# KiCad board LittleSixteen.kicad_pcb
title: LittleSixteen; date: 2025-06-29; rev: 4git; company: SukkoPera; note: Licensed under CC BY-NC-SA 4.0
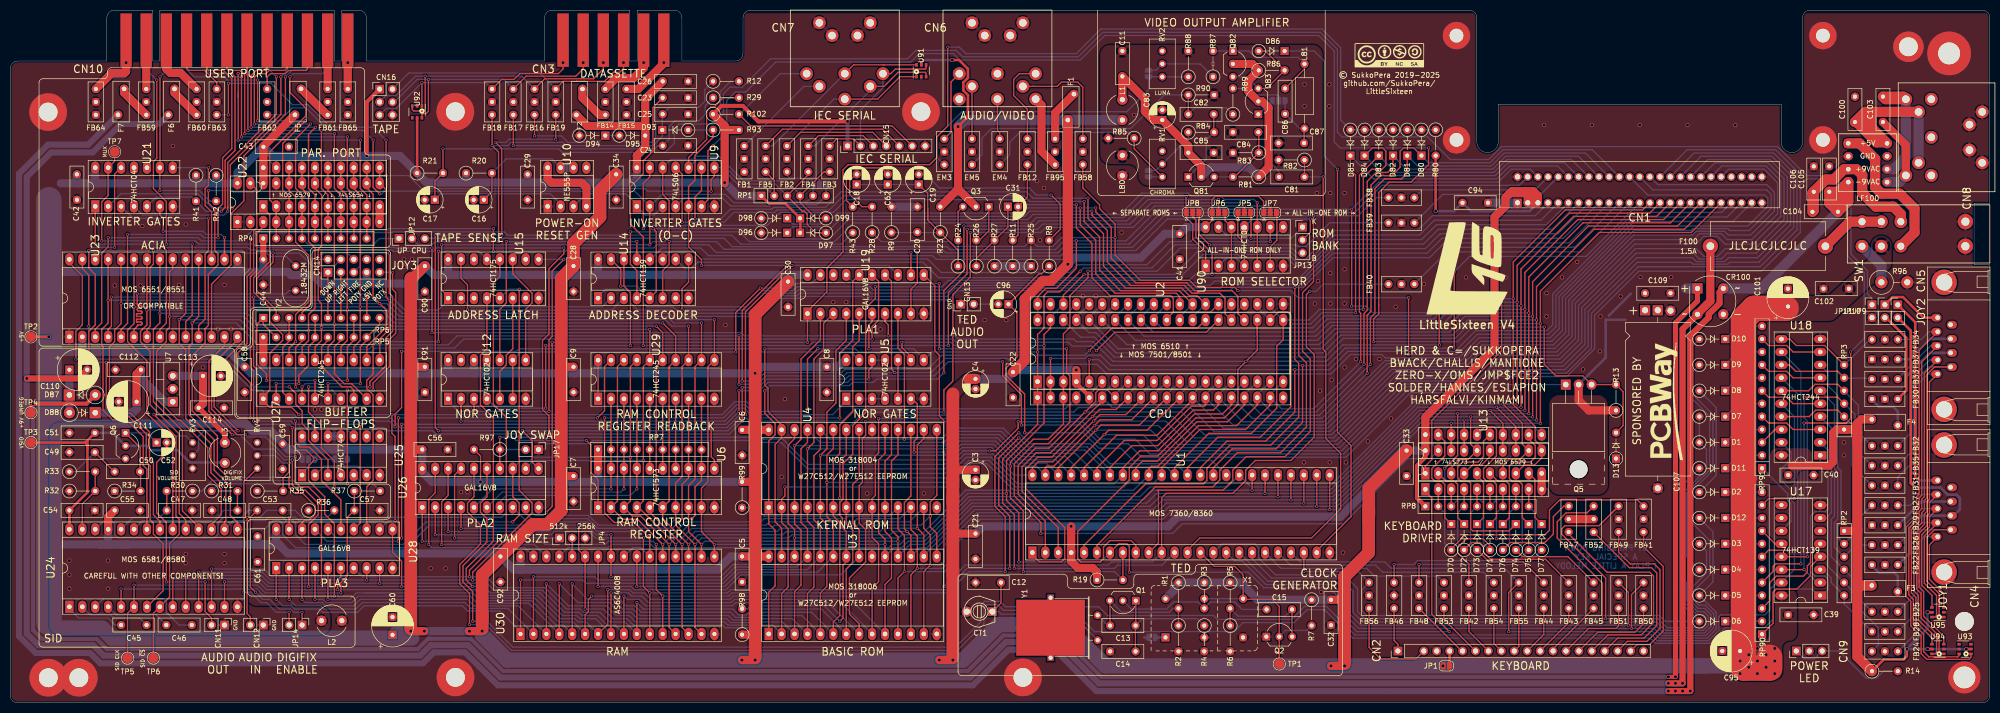
[diagram p0: board, top side]
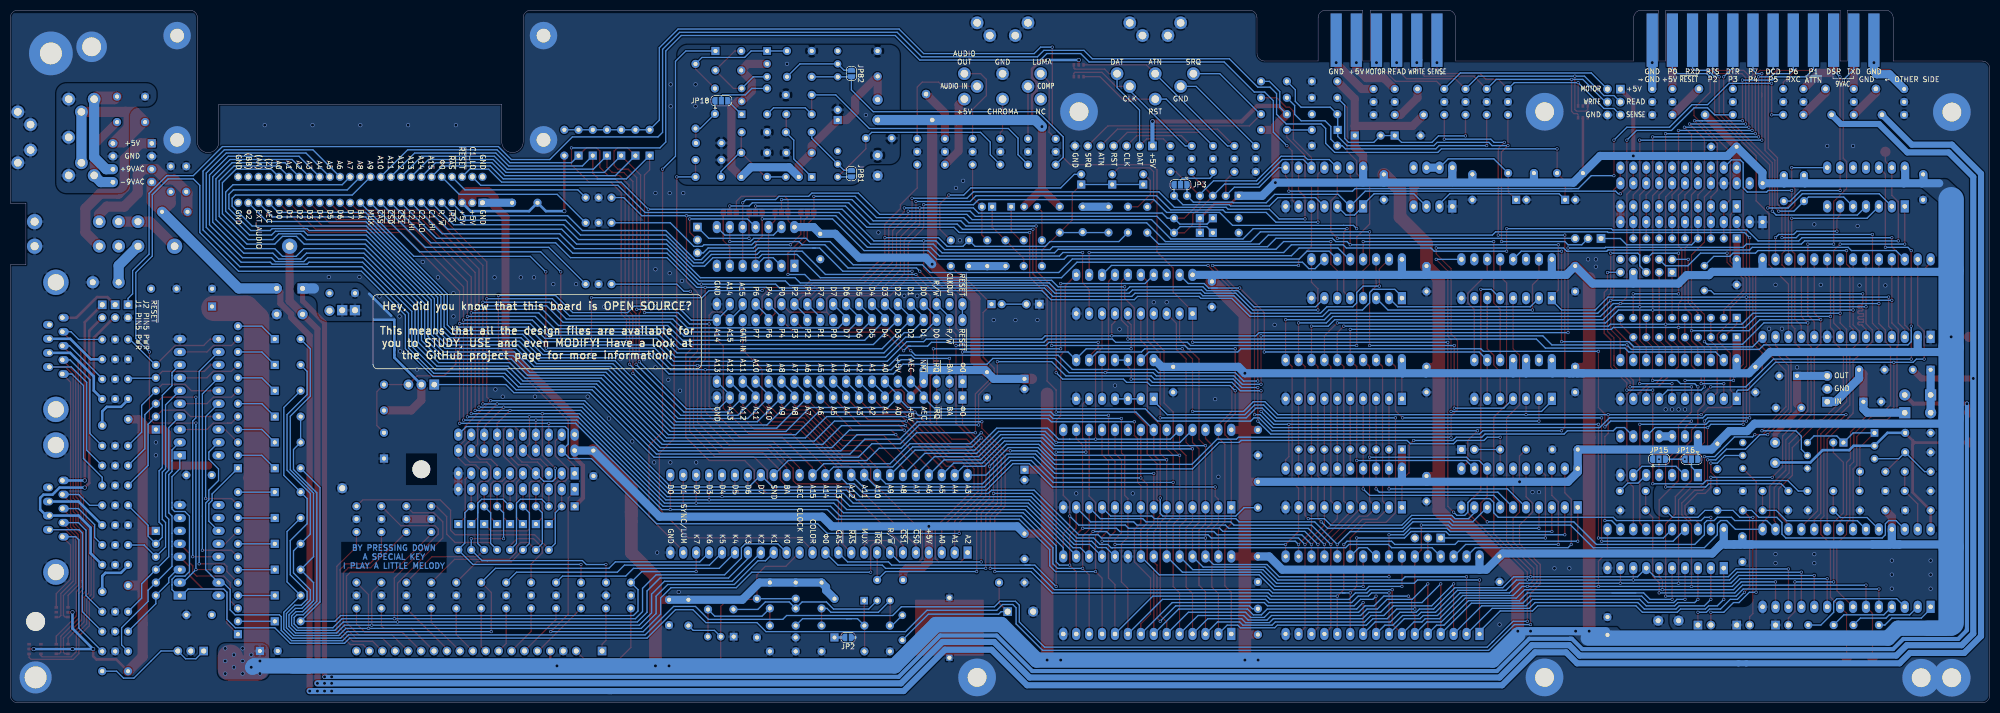
[diagram p1: board, bottom side, seen from below]

Outline 389 x 136.2 mm; copper layers: Top, Bottom. Coordinates in mm from the lower left corner of the outline.
Outline path: 0,124.7 0,1.5 arc(0.44,0.44) 1.5,0 387.5,0 arc(388.56,0.44) 389,1.5 389,86.13 385.9,86.13 385.9,98.26 389,98.26 389,134.7 arc(388.56,135.76) 387.5,136.2 353.7,136.2 arc(352.64,135.76) 352.2,134.7 352.2,110.3 arc(350.1,108.2) 348,110.3 348,117.7 292.4,117.7 292.4,110.3 arc(290.3,108.2) 288.2,110.3 288.2,134.7 arc(287.76,135.76) 286.7,136.2 145.5,136.2 arc(144.44,135.76) 144,134.7 144,127.7 arc(143.56,126.64) 142.5,126.2 132,126.2 132,134.7 arc(131.56,135.76) 130.5,136.2 123.22,136.2 123.22,126.2 121.77,126.2 121.77,136.2 106.5,136.2 arc(105.44,135.76) 105,134.7 105,126.2 70,126.2 69.98,134.7 arc(69.55,135.76) 68.48,136.2 65.07,136.2 65.07,126.2 63.67,126.2 63.67,136.2 29.42,136.2 29.42,126.2 28.02,126.2 28.02,136.2 20.5,136.2 arc(19.44,135.76) 19,134.7 19,126.2 1.5,126.2 arc(0.44,125.76) 0,124.7

## Placement (name value [footprint] x y rotation side)
C3  10u/25V  [CP_Radial_D5.0mm_P2.00mm]  189.69 45.83 270 top
C4  10u/25V  [CP_Radial_D5.0mm_P2.00mm]  189.69 63.71 270 top
C5  100n  [C_Disc_D8.0mm_W2.5mm_P5.00mm]  143.83 28.78 270 top
C6  100n  [C_Disc_D8.0mm_W2.5mm_P5.00mm]  143.83 53.67 270 top
C7  100n  [C_Disc_D8.0mm_W2.5mm_P5.00mm]  110.69 44.61 270 top
C8  100n  [C_Disc_D8.0mm_W2.5mm_P5.00mm]  160.48 66.07 270 top
C9  100n  [C_Disc_D8.0mm_W2.5mm_P5.00mm]  110.69 61.07 90 top
C11  100n  [C_Disc_D8.0mm_W2.5mm_P5.00mm]  218.55 123.18 90 top
C12  22p  [C_Disc_D8.0mm_W2.5mm_P5.00mm]  194.69 23.65 180 top
C13  220p  [C_Disc_D8.0mm_W2.5mm_P5.00mm]  216.14 15.19 0 top
C14  150p  [C_Disc_D8.0mm_W2.5mm_P5.00mm]  221.14 10.11 180 top
C15  10n  [C_Disc_D8.0mm_W2.5mm_P5.00mm]  251.88 18.37 180 top
C16  10u/25V  [CP_Radial_D5.0mm_P2.00mm]  93.07 98.92 180 top
C17  1u/16V  [CP_Radial_D5.0mm_P2.00mm]  83.46 98.92 180 top
C18  10u/25V  [CP_Radial_D5.0mm_P2.00mm]  166.35 101.92 90 top
C19  10u/25V  [CP_Radial_D5.0mm_P2.00mm]  178.54 101.92 90 top
C20  10n  [C_Disc_D8.0mm_W2.5mm_P5.00mm]  178.26 92.55 90 top
C21  100n  [C_Disc_D8.0mm_W2.5mm_P5.00mm]  189.69 33.27 270 top
C22  100n  [C_Disc_D8.0mm_W2.5mm_P5.00mm]  197.05 65.02 270 top
C23  470p  [C_Disc_D8.0mm_W2.5mm_P5.00mm]  133.22 118.97 180 top
C24  470p  [C_Disc_D8.0mm_W2.5mm_P5.00mm]  133.22 109.55 180 top
C25  470p  [C_Disc_D8.0mm_W2.5mm_P5.00mm]  133.22 115.74 180 top
C26  100n  [C_Disc_D8.0mm_W2.5mm_P5.00mm]  133.22 122.21 180 top
C28  100n  [C_Disc_D8.0mm_W2.5mm_P5.00mm]  110.69 85.88 270 top
C29  100n  [C_Disc_D8.0mm_W2.5mm_P5.00mm]  101.68 103.92 270 top
C30  100n  [C_Disc_D8.0mm_W2.5mm_P5.00mm]  152.86 82.83 270 top
C31  10u/25V  [CP_Radial_D5.0mm_P2.00mm]  196.05 97.55 0 top
C32  100p  [C_Disc_D8.0mm_W2.5mm_P5.00mm]  259.54 20.27 270 top
C33  100n  [C_Disc_D8.0mm_W2.5mm_P5.00mm]  274.4 49.61 270 top
C34  100n  [C_Disc_D8.0mm_W2.5mm_P5.00mm]  119.08 103.92 270 top
C39  100n  [C_Disc_D8.0mm_W2.5mm_P5.00mm]  349.38 17.3 0 top
C40  100n  [C_Disc_D8.0mm_W2.5mm_P5.00mm]  349.39 44.78 0 top
C41  100n  [C_Disc_D8.0mm_W2.5mm_P5.00mm]  229.82 92.23 270 top
C42  100n  [C_Disc_D8.0mm_W2.5mm_P5.00mm]  13.11 103.92 270 top
C43  100n  [C_Disc_D8.0mm_W2.5mm_P5.00mm]  49.76 109.34 0 top
C44  100n  [C_Disc_D8.0mm_W2.5mm_P5.00mm]  49.73 87.2 270 top
C45  22n  [C_Disc_D8.0mm_W2.5mm_P5.00mm]  21.79 15.3 0 top
C46  22n  [C_Disc_D8.0mm_W2.5mm_P5.00mm]  35.68 15.3 180 top
C47  2.2n  [C_Disc_D8.0mm_W2.5mm_P5.00mm]  30.76 37.84 0 top
C48  2.2n  [C_Disc_D8.0mm_W2.5mm_P5.00mm]  44.65 37.84 180 top
C49  1n  [C_Disc_D8.0mm_W2.5mm_P5.00mm]  16.63 49.27 180 top
C50  470p  [C_Disc_D8.0mm_W2.5mm_P5.00mm]  25.52 45.46 180 top
C51  100n  [C_Disc_D8.0mm_W2.5mm_P5.00mm]  11.63 53.08 0 top
C52  10u/25V  [CP_Radial_D5.0mm_P2.00mm]  28.76 51.18 0 top
C53  100n  [C_Disc_D8.0mm_W2.5mm_P5.00mm]  53.54 37.84 180 top
C54  100n  [C_Disc_D8.0mm_W2.5mm_P5.00mm]  11.63 37.84 0 top
C55  100n  [C_Disc_D8.0mm_W2.5mm_P5.00mm]  20.52 37.84 0 top
C56  100n  [C_Disc_D8.0mm_W2.5mm_P5.00mm]  80.98 49.81 0 top
C57  470p  [C_Disc_D8.0mm_W2.5mm_P5.00mm]  67.62 37.84 0 top
C58  100n  [C_Disc_D8.0mm_W2.5mm_P5.00mm]  46.08 66.07 270 top
C59  100n  [C_Disc_D8.0mm_W2.5mm_P5.00mm]  53.54 50.95 270 top
C60  470u/25V  [CP_Radial_D8.0mm_P3.50mm]  75.13 13.36 90 top
C61  100n  [C_Disc_D8.0mm_W2.5mm_P5.00mm]  48.62 32.71 270 top
C62  10u/25V  [CP_Radial_D5.0mm_P2.00mm]  172.44 101.92 90 top
C81  330p  [C_Disc_D8.0mm_W2.5mm_P5.00mm]  249.33 103.41 0 top
C82  150p  [C_Disc_D8.0mm_W2.5mm_P5.00mm]  231.5 115.73 0 top
C83  10u/25V  [CP_Radial_D5.0mm_P2.00mm]  226.39 114.6 90 top
C84  100p  [C_Disc_D8.0mm_W2.5mm_P5.00mm]  240.26 112.2 0 top
C85  100n  [C_Disc_D8.0mm_W2.5mm_P5.00mm]  231.5 108.17 0 top
C86  220p  [C_Disc_D8.0mm_W2.5mm_P5.00mm]  250.52 115.81 90 top
C87  330p  [C_Disc_D8.0mm_W2.5mm_P5.00mm]  249.25 110.08 0 top
C90  100n  [C_Disc_D8.0mm_W2.5mm_P5.00mm]  81.48 85.88 270 top
C91  100n  [C_Disc_D8.0mm_W2.5mm_P5.00mm]  81.48 66.07 270 top
C92  100n  [C_Disc_D8.0mm_W2.5mm_P5.00mm]  96.34 28.78 270 top
C94  100n  [C_Disc_D8.0mm_W2.5mm_P5.00mm]  285.38 98.33 0 top
C95  470u/25V  [CP_Radial_D8.0mm_P3.50mm]  339.93 10.19 180 top
C96  10u/25V  [CP_Radial_D5.0mm_P2.00mm]  196.17 78.39 180 top
C100  100n  [C_Disc_D8.0mm_W2.5mm_P5.00mm]  362.5 114.2 90 top
C101  470u/25V  [CP_Radial_D8.0mm_P3.50mm]  349.33 77.93 90 top
C102  100n  [C_Disc_D8.0mm_W2.5mm_P5.00mm]  361.31 81.43 180 top
C103  220n/25V  [C_Disc_D8.0mm_W2.5mm_P5.00mm]  368 114.2 90 top
C104  220n/25V  [C_Disc_D8.0mm_W2.5mm_P5.00mm]  354.15 96.55 0 top
C105  220n/25V  [C_Disc_D8.0mm_W2.5mm_P5.00mm]  357.45 100.49 90 top
C106  220n/25V  [C_Disc_D8.0mm_W2.5mm_P5.00mm]  354.41 100.49 90 top
C107  2200u/25V  [Axial_Cap_Dual]  323.75 77.2 270 top
C109  100n  [C_Disc_D8.0mm_W2.5mm_P5.00mm]  321.25 80.55 0 top
C110  470u/25V  [CP_Radial_D8.0mm_P3.50mm]  11.63 65.5 0 top
C111  470u/25V  [CP_Radial_D8.0mm_P3.50mm]  24.84 59.21 180 top
C112  100n  [C_Disc_D8.0mm_W2.5mm_P5.00mm]  25.69 65.5 180 top
C113  470u/25V  [CP_Radial_D8.0mm_P3.50mm]  37.88 64.29 0 top
C114  100n  [C_Disc_D8.0mm_W2.5mm_P5.00mm]  37.03 58 0 top
CN1  EXPANSION_CONNECTOR  [50Pin_Edge_Connector]  302.2 103.43 0 top
CN2  KEYBOARD_HEADER  [PinHeader_1x20_P2.54mm_NoPin2]  272.7 10.19 90 top
CN4  JOY1  [DB_9M]  387.13 38.2 90 top
CN5  JOY2  [DB_9M]  387.13 70.2 90 top
CN6  AUDIO_VIDEO  [DIN-8_DS_8_102_OR_102B]  194 126.72 0 top
CN7  SERIAL_BUS  [DIN-6_DS_6_102_OR_102B]  164 126.72 0 top
CN8  POWER_INPUT  [DIN-7_DS_7_102_OR_102B]  380.5 111.2 270 top
CN9  LED_CONNECTOR  [PinHeader_1x03_P2.54mm_Vertical]  350.98 10.19 90 top
CN10  USERPORT  [Plus4_UserPort]  44.56 125.2 0 top
CN11  CONN_SID_OUTPUT  [PinHeader_1x02_P2.54mm_Vertical]  42.11 15.3 270 top
CN12  CONN_SID_INPUT  [PinHeader_1x02_P2.54mm_Vertical]  49.73 15.3 270 top
CN13  CONN_TED_OUTPUT  [PinHeader_1x02_P2.54mm_Vertical]  186.78 78.39 90 top
CN14  CONN_JOY3  [PinHeader_2x05_P2.54mm_Vertical]  62.43 84.66 90 top
CN15  CONN_IEC_INT  [PinHeader_1x07_P2.54mm_Vertical]  164.54 109.5 90 top
CN16  CONN_TAPE_INT  [PinHeader_2x03_P2.54mm_Vertical]  72.59 120.68 0 top
CN93  C64_STYLE_CASSETTE  [C64-Cassette-Port-Male]  118 125.2 0 top
CR100  NTE5304  [Diode_Bridge_Round_D9.8mm]  331.55 81.48 0 top
CT1  40p  [VariCap]  192.99 17.93 180 top
D1  1n4148  [D_DO-35_SOD27_P5.08mm_Vertical_KathodeUp]  337.01 51.21 180 top
D2  1n4148  [D_DO-35_SOD27_P5.08mm_Vertical_KathodeUp]  337.01 41.43 180 top
D3  1n4148  [D_DO-35_SOD27_P5.08mm_Vertical_KathodeUp]  337.01 31.27 180 top
D4  1n4148  [D_DO-35_SOD27_P5.08mm_Vertical_KathodeUp]  337.01 26.19 180 top
D5  1n4148  [D_DO-35_SOD27_P5.08mm_Vertical_KathodeUp]  337.01 21.11 180 top
D6  1n4148  [D_DO-35_SOD27_P5.08mm_Vertical_KathodeUp]  337.01 16.03 180 top
D7  1n4148  [D_DO-35_SOD27_P5.08mm_Vertical_KathodeUp]  337.01 56.29 180 top
D8  1n4148  [D_DO-35_SOD27_P5.08mm_Vertical_KathodeUp]  337.01 61.37 180 top
D9  1n4148  [D_DO-35_SOD27_P5.08mm_Vertical_KathodeUp]  337.01 66.45 180 top
D10  1n4148  [D_DO-35_SOD27_P5.08mm_Vertical_KathodeUp]  337.01 71.53 180 top
D11  1n4148  [D_DO-35_SOD27_P5.08mm_Vertical_KathodeUp]  337.01 46.13 180 top
D12  1n4148  [D_DO-35_SOD27_P5.08mm_Vertical_KathodeUp]  337.01 36.35 180 top
D13  6.8V  [D_DO-35_SOD27_P5.08mm_Vertical_KathodeUp_Zener]  315.55 53.12 270 top
D70  1n4148  [D_DO-35_SOD27_P5.08mm_Vertical_KathodeUp]  283.16 35.15 270 top
D71  1n4148  [D_DO-35_SOD27_P5.08mm_Vertical_KathodeUp]  290.78 35.15 270 top
D72  1n4148  [D_DO-35_SOD27_P5.08mm_Vertical_KathodeUp]  285.7 35.15 270 top
D73  1n4148  [D_DO-35_SOD27_P5.08mm_Vertical_KathodeUp]  288.24 35.15 270 top
D74  1n4148  [D_DO-35_SOD27_P5.08mm_Vertical_KathodeUp]  295.86 35.15 270 top
D75  1n4148  [D_DO-35_SOD27_P5.08mm_Vertical_KathodeUp]  298.4 35.15 270 top
D76  1n4148  [D_DO-35_SOD27_P5.08mm_Vertical_KathodeUp]  293.32 35.15 270 top
D77  1n4148  [D_DO-35_SOD27_P5.08mm_Vertical_KathodeUp]  300.94 35.15 270 top
D80  1n4148  [D_DO-35_SOD27_P5.08mm_Vertical_KathodeUp]  277.32 107.6 90 top
D81  1n4148  [D_DO-35_SOD27_P5.08mm_Vertical_KathodeUp]  274.52 107.6 90 top
D82  1n4148  [D_DO-35_SOD27_P5.08mm_Vertical_KathodeUp]  271.73 107.6 90 top
D83  1n4148  [D_DO-35_SOD27_P5.08mm_Vertical_KathodeUp]  268.94 107.6 90 top
D84  1n4148  [D_DO-35_SOD27_P5.08mm_Vertical_KathodeUp]  266.14 107.6 90 top
D85  1n4148  [D_DO-35_SOD27_P5.08mm_Vertical_KathodeUp]  263.35 107.6 90 top
D86  1n4148  [D_DO-35_SOD27_P5.08mm_Vertical_KathodeUp]  250.42 128.18 180 top
D87  1n4001  [D_DO-41_SOD81_P5.08mm_Vertical_KathodeUp]  11.63 60.54 0 top
D88  1n4001  [D_DO-41_SOD81_P5.08mm_Vertical_KathodeUp]  16.71 57.05 180 top
D93  1n4148  [D_DO-35_SOD27_P5.08mm_Vertical_KathodeUp]  128.14 112.65 0 top
D94  1n4148  [D_DO-35_SOD27_P5.08mm_Vertical_KathodeUp]  116.94 111.55 180 top
D95  1n4148  [D_DO-35_SOD27_P5.08mm_Vertical_KathodeUp]  124.79 111.55 180 top
D96  1n4148  [D_DO-35_SOD27_P5.08mm_Vertical_KathodeUp]  152.68 92.42 180 top
D97  1n4148  [D_DO-35_SOD27_P5.08mm_Vertical_KathodeUp]  155.22 92.42 0 top
D98  1n4148  [D_DO-35_SOD27_P5.08mm_Vertical_KathodeUp]  152.68 95.28 180 top
D99  1n4148  [D_DO-35_SOD27_P5.08mm_Vertical_KathodeUp]  155.22 95.28 0 top
EM3  270p  [EMI_Filter]  183.56 110.9 0 top
EM4  270p  [EMI_Filter]  194.44 110.9 0 top
EM5  270p  [EMI_Filter]  189 110.9 0 top
F1  250m  [Fuse_Bourns]  207.83 114.6 90 top
F2  250m  [Fuse_Bourns]  111.26 115.6 90 top
F3  400m  [Fuse_Bourns]  365.81 23.07 0 top
F4  400m  [Fuse_Bourns]  365.81 55.75 0 top
F5  250m  [Fuse_Bourns]  55.96 115.63 90 top
F6  400m  [Fuse_Bourns]  31.09 115.63 90 top
F7  400m  [Fuse_Bourns]  21.19 115.63 90 top
F100  1.5A  [Fuseholder_Cylinder-5x20mm_Stelvio-Kontek_PTF78_Horizontal_Open]  334.09 89.79 0 top
FB1  FERRITE  [EMI_Filter]  144.25 109.5 0 top
FB2  FERRITE  [EMI_Filter]  152.63 109.5 0 top
FB3  FERRITE  [EMI_Filter]  161.02 109.5 0 top
FB4  FERRITE  [EMI_Filter]  156.82 109.5 0 top
FB5  FERRITE  [EMI_Filter]  148.44 109.5 0 top
FB12  FERRITE  [EMI_Filter]  199.88 110.9 0 top
FB14  FERRITE  [EMI_Filter]  116.94 120.7 0 top
FB15  FERRITE  [EMI_Filter]  121.11 120.7 0 top
FB16  FERRITE  [EMI_Filter]  103.03 120.7 0 top
FB17  FERRITE  [EMI_Filter]  98.86 120.7 0 top
FB18  FERRITE  [EMI_Filter]  94.69 120.7 0 top
FB19  FERRITE  [EMI_Filter]  107.2 120.7 0 top
FB22  FERRITE  [EMI_Filter]  365.84 27.13 90 top
FB24  FERRITE  [EMI_Filter]  365.84 10.12 90 top
FB25  FERRITE  [EMI_Filter]  365.84 17.93 90 top
FB26  FERRITE  [EMI_Filter]  365.84 31.03 90 top
FB27  FERRITE  [EMI_Filter]  365.84 38.84 90 top
FB28  FERRITE  [EMI_Filter]  365.84 14.02 90 top
FB29  FERRITE  [EMI_Filter]  365.84 34.93 90 top
FB30  FERRITE  [EMI_Filter]  365.84 59.75 90 top
FB31  FERRITE  [EMI_Filter]  365.84 42.74 90 top
FB32  FERRITE  [EMI_Filter]  365.84 50.54 90 top
FB33  FERRITE  [EMI_Filter]  365.84 63.65 90 top
FB34  FERRITE  [EMI_Filter]  365.84 71.45 90 top
FB35  FERRITE  [EMI_Filter]  365.84 46.64 90 top
FB37  FERRITE  [EMI_Filter]  365.84 67.55 90 top
FB38  DO NOT MOUNT  [EMI_Filter]  270.84 99.35 90 top
FB39  DO NOT MOUNT  [EMI_Filter]  270.84 94.39 90 top
FB40  DO NOT MOUNT  [EMI_Filter]  270.84 82.33 90 top
FB41  FERRITE  [EMI_Filter]  320.96 38.66 0 top
FB42  FERRITE  [EMI_Filter]  286.64 23.65 0 top
FB43  FERRITE  [EMI_Filter]  306.25 23.65 0 top
FB44  FERRITE  [EMI_Filter]  301.35 23.65 0 top
FB45  FERRITE  [EMI_Filter]  311.15 23.65 0 top
FB46  FERRITE  [EMI_Filter]  271.93 23.65 0 top
FB47  FERRITE  [EMI_Filter]  306.25 38.66 0 top
FB48  FERRITE  [EMI_Filter]  276.84 23.65 0 top
FB49  FERRITE  [EMI_Filter]  316.05 38.66 0 top
FB50  FERRITE  [EMI_Filter]  320.96 23.65 0 top
FB51  FERRITE  [EMI_Filter]  316.05 23.65 0 top
FB52  FERRITE  [EMI_Filter]  311.15 38.66 0 top
FB53  FERRITE  [EMI_Filter]  281.74 23.65 0 top
FB54  FERRITE  [EMI_Filter]  291.54 23.65 0 top
FB55  FERRITE  [EMI_Filter]  296.44 23.65 0 top
FB56  FERRITE  [EMI_Filter]  267.03 23.65 0 top
FB58  FERRITE  [EMI_Filter]  210.77 110.9 0 top
FB59  FERRITE  [EMI_Filter]  26.74 120.7 0 top
FB60  FERRITE  [EMI_Filter]  36.64 120.7 0 top
FB61  FERRITE  [EMI_Filter]  62.38 120.7 0 top
FB62  FERRITE  [EMI_Filter]  50.5 120.7 0 top
FB63  FERRITE  [EMI_Filter]  40.6 120.7 0 top
FB64  FERRITE  [EMI_Filter]  16.84 120.7 0 top
FB65  FERRITE  [EMI_Filter]  66.34 120.7 0 top
FB95  FERRITE  [EMI_Filter]  205.33 110.9 0 top
G***  LOGO  [Sw16]  122.5 142.14 0 top
G***#2  LOGO  [Sw16]  122.5 142.14 0 top
H1  MountingHole_Pad  [MountingHole_3.7mm_Pad]  87.5 5 0 top
H2  MountingHole_Pad  [MountingHole_3.7mm_Pad]  199 5 0 top
H3  MountingHole_Pad  [MountingHole_3.7mm_Pad]  87.47 116.23 0 top
H4  MountingHole_Pad  [MountingHole_3.7mm_Pad]  178.97 116.23 0 top
H6  MountingHole_Pad  [MountingHole_3.7mm_Pad#2]  384 16 0 top
H7  MountingHole_Pad  [MountingHole_3.7mm_Pad#3]  373 129 0 top
H9  MountingHole_Pad  [MountingHole_4.3mm_M4_Pad]  384 5 0 top
H10  MountingHole_Pad  [MountingHole_4.3mm_M4_Pad#2]  381 127.7 0 top
H11  MountingHole_Pad  [MountingHole_2.7mm_Pad]  284.2 131.2 0 top
H12  MountingHole_Pad  [MountingHole_2.7mm_Pad]  284.2 110.7 0 top
H13  MountingHole_Pad  [MountingHole_2.7mm_Pad]  356.2 131.2 0 top
H14  MountingHole_Pad  [MountingHole_2.7mm_Pad]  356.2 110.7 0 top
H15  MountingHole_Pad  [MountingHole_3.7mm_Pad]  7.46 116.17 0 top
H16  MountingHole_Pad  [MountingHole_3.7mm_Pad]  7.49 4.94 0 top
H17  MountingHole_Pad  [MountingHole_3.7mm_Pad]  13.49 4.94 0 top
JP1  JMP_KBD_POWER  [SolderJumper-2_P1.3mm_Open_RoundedPad1.0x1.5mm]  282.21 7.27 0 top
JP2  JMP_OSC_GND  [SolderJumper-2_P1.3mm_Open_RoundedPad1.0x1.5mm]  224.36 12.85 0 bottom
JP3  JP_IECRST  [SolderJumper-3_P1.3mm_Open_RoundedPad1.0x1.5mm]  159.03 101.88 0 bottom
JP4  SW_RAMSIZE  [PinHeader_1x03_P2.54mm_Vertical#2]  107.9 32.41 90 top
JP5  SW_KCE  [SolderJumper-3_P1.3mm_Open_RoundedPad1.0x1.5mm]  242.52 96.43 0 top
JP6  SW_KA15  [SolderJumper-3_P1.3mm_Open_RoundedPad1.0x1.5mm]  237.44 96.43 0 top
JP7  SW_KA14  [SolderJumper-3_P1.3mm_Open_RoundedPad1.0x1.5mm]  247.6 96.43 0 top
JP8  SW_BCE  [SolderJumper-3_P1.3mm_Open_RoundedPad1.0x1.5mm]  232.36 96.43 0 top
JP9  JMP_J1_POW5  [PinHeader_1x02_P2.54mm_Vertical]  370.92 78.26 0 top
JP10  JMP_J2_POW5  [PinHeader_1x02_P2.54mm_Vertical]  368.38 78.28 0 top
JP11  SW_RESET  [PinHeader_1x02_P2.54mm_Vertical#2]  365.84 78.28 0 top
JP12  JMP_TPSENSE  [PinHeader_1x03_P2.54mm_Vertical#2]  76.4 91.31 90 top
JP13  SW_ROM_BANK  [PinHeader_1x03_P2.54mm_Vertical#2]  253.95 93.55 0 top
JP14  SW_DIGIFIX  [PinHeader_1x02_P2.54mm_Vertical]  57.35 15.3 270 top
JP15  JMP_SIDCLK_SET  [SolderJumper-3_P1.3mm_Open_RoundedPad1.0x1.5mm]  65 47.91 180 bottom
JP16  JMP_SIDCLK_RST  [SolderJumper-3_P1.3mm_Open_RoundedPad1.0x1.5mm]  58.63 47.91 0 bottom
JP17  SW_JOYSWAP  [PinHeader_1x02_P2.54mm_Vertical]  103.84 49.81 270 top
JP18  JMP_COMP_VIDEO  [SolderJumper-3_P1.3mm_Open_RoundedPad1.0x1.5mm]  249.25 118.39 180 bottom
JP81  JMP_RV1_BYPASS  [SolderJumper-2_P1.3mm_Open_RoundedPad1.0x1.5mm]  223.7 104.06 270 bottom
JP82  JMP_RV2_BYPASS  [SolderJumper-2_P1.3mm_Open_RoundedPad1.0x1.5mm]  223.7 123.75 270 bottom
L1  FERRITE  [L_Radial_D6.0mm_P4.00mm]  218.55 114.6 90 top
L2  FERRITE  [L_Radial_D6.0mm_P4.00mm]  65.16 16.16 180 top
L3  FERRITE  [L_Radial_D6.0mm_P4.00mm]  42.19 51.18 270 top
L80  FERRITE  [L_Radial_D6.0mm_P4.00mm]  218.55 103.66 90 top
L81  10u  [L_Axial_L7.0mm_D3.3mm_P12.70mm_Horizontal_Fastron_MICC]  254.33 125.64 270 top
LF100  -  [CM4545Z131B-10]  365 106.2 0 top
Q1  2SC1815  [TO-92_Inline_Wide]  221.18 20.1 180 top
Q2  2SC1815  [TO-92_Inline_Wide]  246.84 13.01 0 top
Q3  2SC1815  [TO-92_Inline_Wide]  192.29 97.55 180 top
Q5  2SD880  [TO-220-3_Horizontal_TabUp]  305.66 62.58 0 top
Q6  2SC1815  [TO-92_Inline_Wide]  22.66 53.08 270 top
Q81  2SC1815  [TO-92_Inline_Wide]  231.5 103.41 0 top
Q82  2SC1815  [TO-92_Inline_Wide]  240.26 128.18 270 top
Q83  2SC1815  [TO-92_Inline_Wide]  245.26 115.73 90 top
R1  10k  [R_Axial_DIN0207_L6.3mm_D2.5mm_P5.08mm_Vertical]  229.57 23.65 270 top
R2  4.7k  [R_Axial_DIN0207_L6.3mm_D2.5mm_P5.08mm_Vertical#2]  229.57 15.19 270 top
R3  470  [R_Axial_DIN0207_L6.3mm_D2.5mm_P5.08mm_Vertical]  234.65 23.65 270 top
R4  220  [R_Axial_DIN0207_L6.3mm_D2.5mm_P5.08mm_Vertical#2]  234.65 15.19 270 top
R5  18k  [R_Axial_DIN0207_L6.3mm_D2.5mm_P5.08mm_Vertical]  239.73 23.65 270 top
R6  1.5k  [R_Axial_DIN0207_L6.3mm_D2.5mm_P5.08mm_Vertical#2]  239.73 15.19 270 top
R7  470  [R_Axial_DIN0207_L6.3mm_D2.5mm_P5.08mm_Vertical]  255.73 20.27 270 top
R8  1k  [R_Axial_DIN0207_L6.3mm_D2.5mm_P5.08mm_Vertical]  204.17 85.87 90 top
R9  12k  [R_Axial_DIN0207_L6.3mm_D2.5mm_P5.08mm_Vertical]  173.18 92.47 90 top
R11  100k  [R_Axial_DIN0207_L6.3mm_D2.5mm_P5.08mm_Vertical]  197 85.87 90 top
R12  3.3k  [R_Axial_DIN0207_L6.3mm_D2.5mm_P5.08mm_Vertical]  138.13 122.21 0 top
R13  470  [R_Axial_DIN0207_L6.3mm_D2.5mm_P5.08mm_Vertical]  315.55 57.5 90 top
R14  470  [R_Axial_DIN0207_L6.3mm_D2.5mm_P5.08mm_Vertical]  365.84 6.22 0 top
R19  3.3k  [R_Axial_DIN0207_L6.3mm_D2.5mm_P5.08mm_Vertical]  213.56 24.16 0 top
R20  47k  [R_Axial_DIN0207_L6.3mm_D2.5mm_P5.08mm_Vertical]  89.58 104.16 0 top
R21  100k  [R_Axial_DIN0207_L6.3mm_D2.5mm_P5.08mm_Vertical]  79.96 104.16 0 top
R23  10k  [R_Axial_DIN0207_L6.3mm_D2.5mm_P5.08mm_Vertical]  182.77 92.47 90 top
R24  1k  [R_Axial_DIN0207_L6.3mm_D2.5mm_P5.08mm_Vertical]  186.26 85.87 90 top
R25  100k  [R_Axial_DIN0207_L6.3mm_D2.5mm_P5.08mm_Vertical]  200.59 85.87 90 top
R26  240  [R_Axial_DIN0207_L6.3mm_D2.5mm_P5.08mm_Vertical]  189.84 85.87 90 top
R27  240  [R_Axial_DIN0207_L6.3mm_D2.5mm_P5.08mm_Vertical]  193.42 85.87 90 top
R28  1k  [R_Axial_DIN0207_L6.3mm_D2.5mm_P5.08mm_Vertical]  169.37 92.47 90 top
R29  100  [R_Axial_DIN0207_L6.3mm_D2.5mm_P5.08mm_Vertical]  138.13 118.97 0 top
R30  100  [R_Axial_DIN0207_L6.3mm_D2.5mm_P5.08mm_Vertical]  35.84 41.65 180 top
R31  100  [R_Axial_DIN0207_L6.3mm_D2.5mm_P5.08mm_Vertical]  39.57 41.65 0 top
R32  1k  [R_Axial_DIN0207_L6.3mm_D2.5mm_P5.08mm_Vertical]  11.63 41.65 0 top
R33  10k  [R_Axial_DIN0207_L6.3mm_D2.5mm_P5.08mm_Vertical]  11.63 45.46 0 top
R34  1k  [R_Axial_DIN0207_L6.3mm_D2.5mm_P5.08mm_Vertical]  20.52 41.65 0 top
R35  180k  [R_Axial_DIN0207_L6.3mm_D2.5mm_P5.08mm_Vertical]  48.54 41.65 0 top
R36  100k  [R_Axial_DIN0207_L6.3mm_D2.5mm_P5.08mm_Vertical]  58.62 37.84 0 top
R37  220  [R_Axial_DIN0207_L6.3mm_D2.5mm_P5.08mm_Vertical]  67.62 41.65 0 top
R41  10k  [R_Axial_DIN0207_L6.3mm_D2.5mm_P5.08mm_Vertical]  36.51 103.73 270 top
R42  10k  [R_Axial_DIN0207_L6.3mm_D2.5mm_P5.08mm_Vertical]  40.47 103.73 270 top
R43  1k  [R_Axial_DIN0207_L6.3mm_D2.5mm_P5.08mm_Vertical]  165.56 92.45 90 top
R80  5.6k  [R_Axial_DIN0207_L6.3mm_D2.5mm_P5.08mm_Vertical]  280.11 112.68 270 top
R81  3.3k  [R_Axial_DIN0207_L6.3mm_D2.5mm_P5.08mm_Vertical]  245.34 103.41 180 top
R82  1k  [R_Axial_DIN0207_L6.3mm_D2.5mm_P5.08mm_Vertical]  254.33 106.74 180 top
R83  5.6k  [R_Axial_DIN0207_L6.3mm_D2.5mm_P5.08mm_Vertical#2]  245.34 108.17 180 top
R84  33  [R_Axial_DIN0207_L6.3mm_D2.5mm_P5.08mm_Vertical]  231.5 112.2 0 top
R85  150  [R_Axial_DIN0207_L6.3mm_D2.5mm_P5.08mm_Vertical]  220.86 111.03 180 top
R86  1k  [R_Axial_DIN0207_L6.3mm_D2.5mm_P5.08mm_Vertical]  245.34 124.36 0 top
R87  150  [R_Axial_DIN0207_L6.3mm_D2.5mm_P5.08mm_Vertical]  236.36 123.1 90 top
R88  150  [R_Axial_DIN0207_L6.3mm_D2.5mm_P5.08mm_Vertical#2]  231.5 123.1 90 top
R89  100  [R_Axial_DIN0207_L6.3mm_D2.5mm_P5.08mm_Vertical]  240.26 115.73 90 top
R90  150  [R_Axial_DIN0207_L6.3mm_D2.5mm_P5.08mm_Vertical#2]  231.5 119.53 0 top
R93  3.3k  [R_Axial_DIN0207_L6.3mm_D2.5mm_P5.08mm_Vertical]  138.13 112.65 0 top
R96  10 2.5W  [R_Axial_DIN0414_L11.9mm_D4.5mm_P5.08mm_Vertical]  367.69 82.69 0 top
R97  10k  [R_Axial_DIN0207_L6.3mm_D2.5mm_P5.08mm_Vertical]  96.22 49.81 180 top
R98  10k  [R_Axial_DIN0207_L6.3mm_D2.5mm_P5.08mm_Vertical]  143.83 13.42 90 top
R99  10k  [R_Axial_DIN0207_L6.3mm_D2.5mm_P5.08mm_Vertical]  143.83 38.38 90 top
R102  330  [R_Axial_DIN0207_L6.3mm_D2.5mm_P5.08mm_Vertical]  138.13 115.74 0 top
RP1  1k  [R_Array_SIP6]  147.6 99.7 0 top
RP2  3.3k  [R_Array_SIP6]  360.38 33.81 270 top
RP3  3.3k  [R_Array_SIP6]  360.38 53.75 90 top
RP4  3.3k  [R_Array_SIP9]  49.73 91.31 0 top
RP5  4.7k  [R_Array_SIP9]  49.73 71.88 0 top
RP6  100  [R_Array_SIP10]  49.73 75.69 0 top
RP7  10k  [R_Array_SIP9]  115.52 49.81 0 top
RP8  4.7k  [R_Array_SIP9]  278.08 38.64 0 top
RP90  100  [R_Array_SIP12]  344.25 13.49 90 top
RP91  100  [R_Array_SIP12]  344.25 46.13 90 top
RV1  1k  [Potentiometer_Bourns_3296W_Vertical]  226.39 108.49 90 top
RV2  220  [Potentiometer_Bourns_3296W_Vertical]  226.39 128.18 90 top
RV3  10k  [Potentiometer_Bourns_3296W_Vertical]  35.84 46.1 270 top
RV4  1M  [Potentiometer_Bourns_3296W_Vertical]  48.54 46.1 270 top
SW1  SW_POWER  [C64_PowerSwitch]  371.5 92.2 90 top
TP1  CLOCK_TESTPOINT  [TestPoint_Pad_D2.0mm]  249.38 7.65 0 top
TP2  FIVEV_TESTPOINT  [TestPoint_Pad_D2.0mm]  4.08 71.96 0 top
TP3  VSID_TESTPOINT  [TestPoint_Pad_D2.0mm]  4.08 51.18 0 top
TP4  NINEV_TESTPOINT  [TestPoint_Pad_D2.0mm]  4.08 57.05 0 top
TP5  SIDCLK_TESTPOINT  [TestPoint_Pad_D2.0mm]  23.06 8.79 0 top
TP6  SIDCS_TESTPOINT  [TestPoint_Pad_D2.0mm]  28.14 8.79 0 top
TP7  MUX_TESTPOINT  [TestPoint_Pad_D2.0mm]  20.52 108.36 0 top
U1  MOS_7360_TED  [DIP-48_W15.24mm_Socket_LongPads]  200.86 29.54 90 top
U2  MOS_8501  [DIP-40_W15.24mm_Socket_LongPads]  201.88 60.02 90 top
U3  23128_BASIC  [DIP-28_W15.24mm_Socket_LongPads]  149.05 13.54 90 top
U4  23128_KERNAL  [DIP-28_W15.24mm_Socket_LongPads]  149.05 38.43 90 top
U5  74HCT02  [DIP-14_W7.62mm_Socket_LongPads]  164.29 59.77 90 top